# Altium PCB 6.PCB1.PcbDoc
Units mm, origin at the board's own origin, x right, y up, seen from the top; angles counter-clockwise.
Board outline 95.68 x 59.18 mm, 3 copper layers (Top Layer, Internal Plane 13, Bottom Layer); 68 components, 55 nets, 251 pads, 142 vias.
Unrouted connection lines stored in the file: 33.
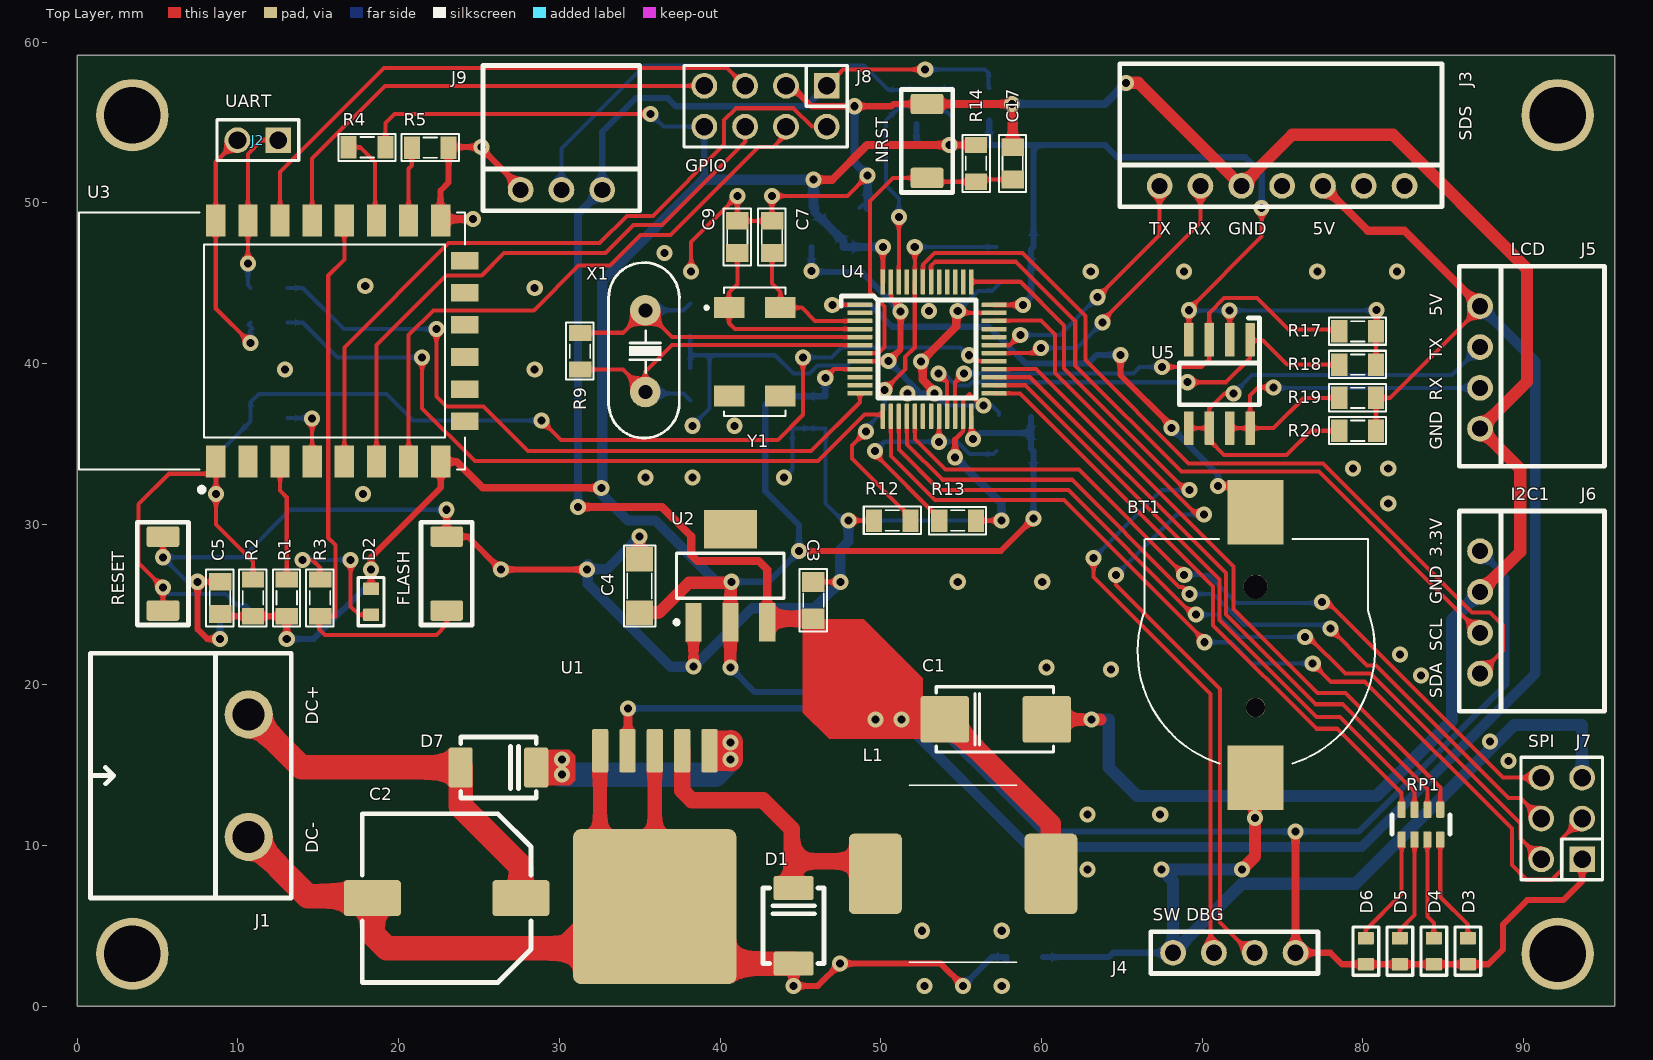
[diagram p0: Top Layer view]
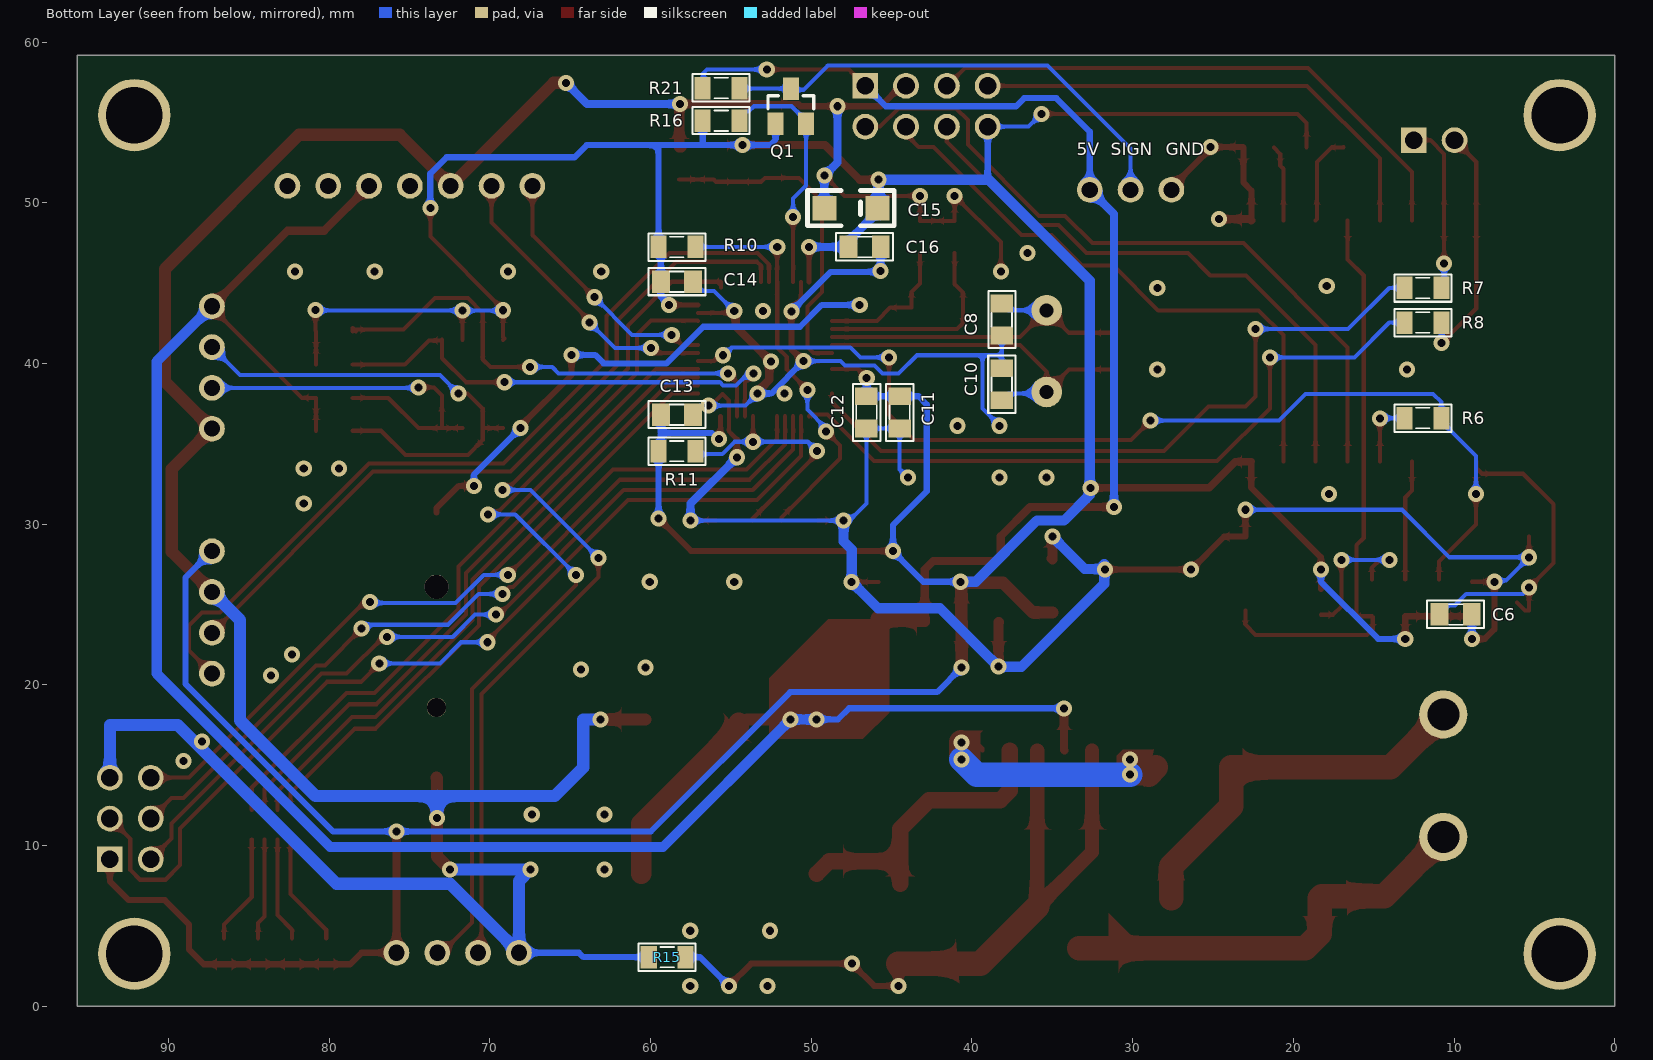
[diagram p1: Bottom Layer view, seen from below]
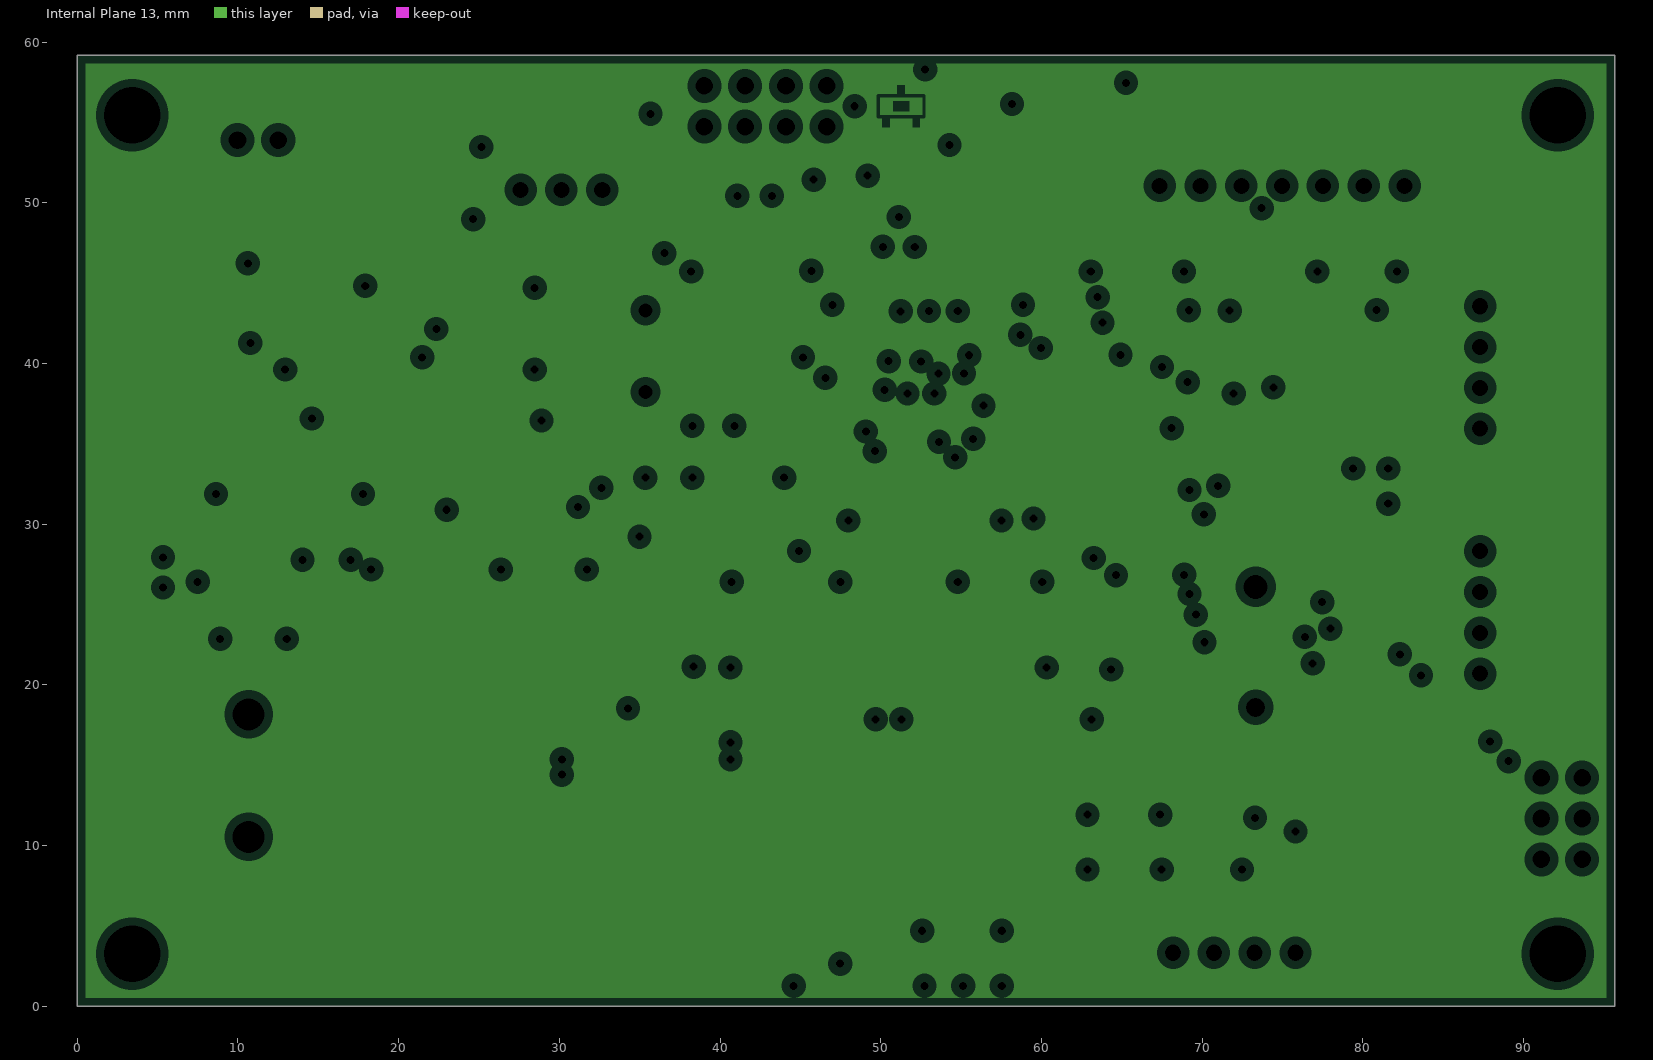
[diagram p2: Internal Plane 13, clearances drawn from the general rule]
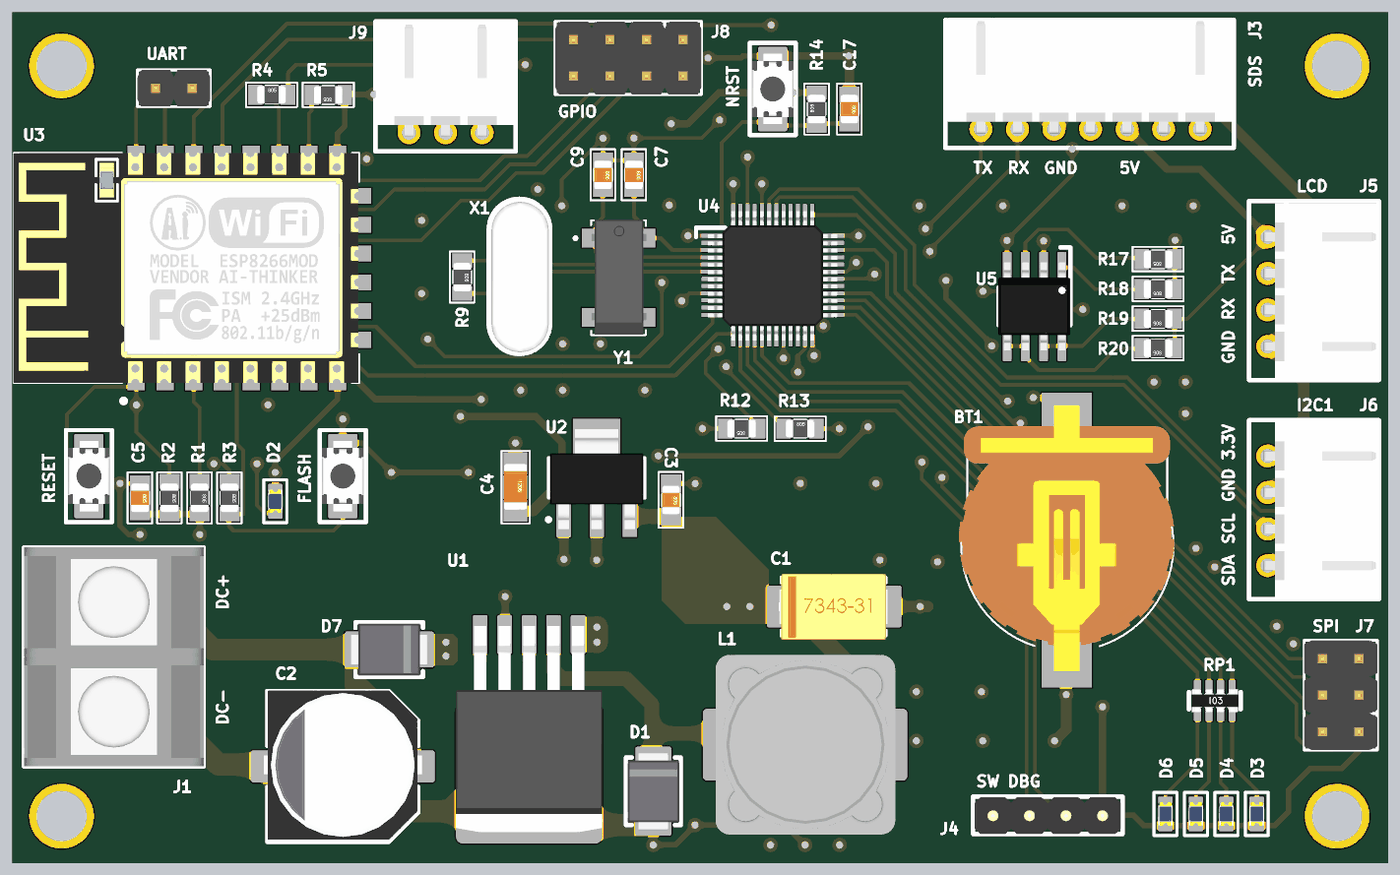
[diagram p3: 3D render of the assembled board from above, using the file's embedded part models]
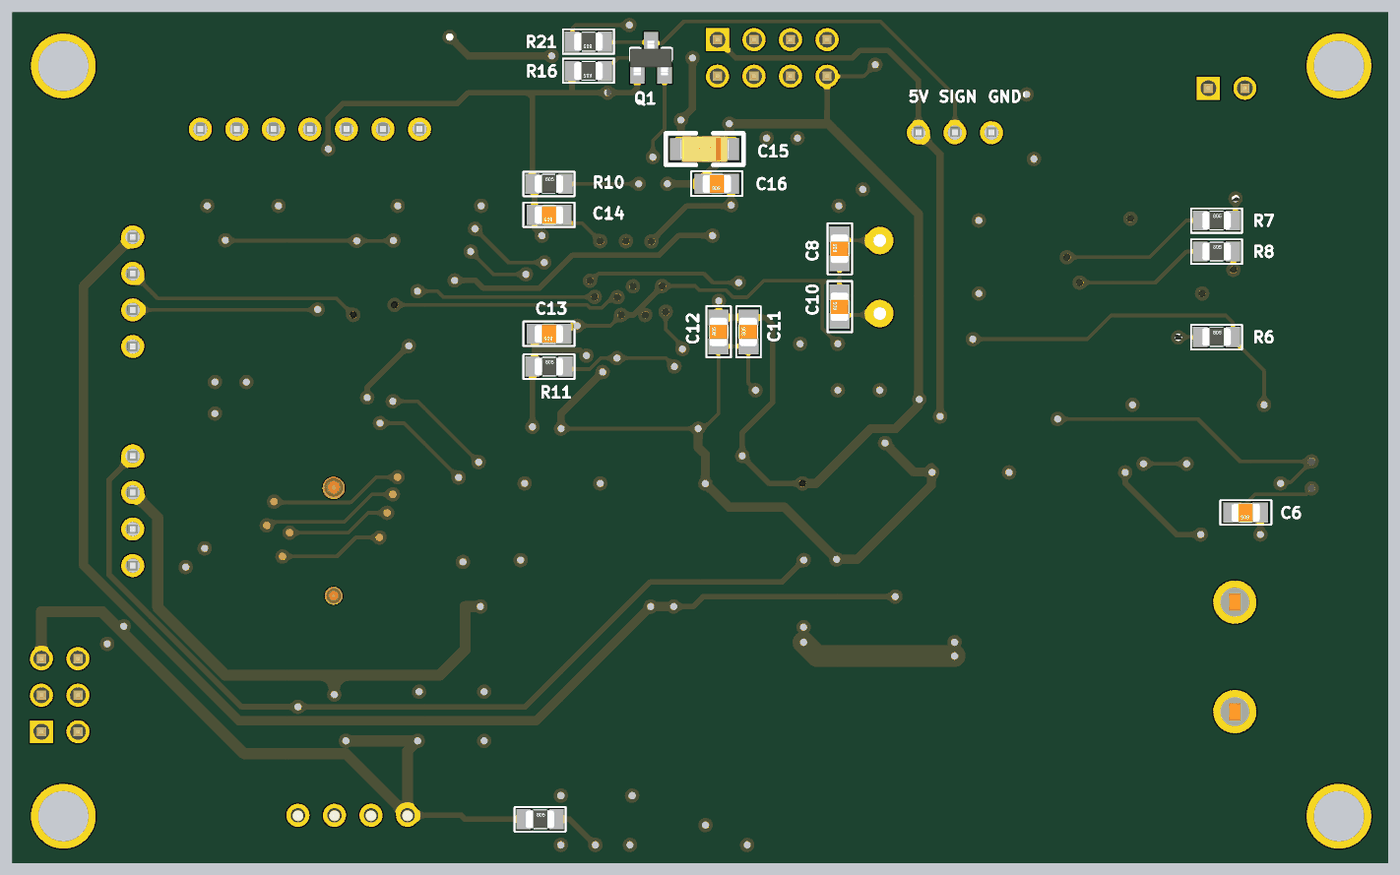
[diagram p4: 3D render of the assembled board from below, using the file's embedded part models]

## Layer stack, top to bottom
Top Solder: solder mask 0.0102, Solder Resist, Dk 3.5
Top Layer: signal copper 0.0356
Dielectric 1: dielectric 0.32, FR-4, Dk 4.8
Internal Plane 13: plane copper 0.0356
Dielectric2: dielectric 0.32, FR-4, Dk 4.8
Bottom Layer: signal copper 0.0356
Bottom Solder: solder mask 0.0102, Solder Resist, Dk 3.5

## Board outline
0,0 95.679,0 95.679,59.182 0,59.182

## Design rules (kind name [scope] priority, off if disabled: settings)
Clearance [All] p1: gap=0.127 ignorepadtopadclearanceinfootprint=TRUE
HoleSize [All] p1: absolutevalues=TRUE maxlimit=100 minlimit=0.025 maxpercent=80.000 minpercent=20.000
MinimumSolderMaskSliver [All] p1: minsoldermaskwidth=0.1
PlaneClearance [All] p1: clearance=0.508
PlaneConnect [All] p1: planeconnectstyle=Relief reliefexpansion=0.508 reliefentries=4 reliefconductorwidth=0.254 reliefairgap=0.254
PolygonConnect [All] p1: thpad.connectstyle=Relief thpad.reliefconductorwidth=0.508 thpad.reliefentries=4 thpad.polygonreliefangle="90 Angle" thpad.airgapwidth=0.254 smdpad.connectstyle=Relief smdpad.reliefconductorwidth=0.508 smdpad.reliefentries=4 smdpad.polygonreliefangle="90 Angle" smdpad.airgapwidth=0.254 via.connectstyle=Direct via.reliefconductorwidth=0.254 via.reliefentries=4 via.polygonreliefangle="90 Angle" via.airgapwidth=0.254
RoutingVias [All] p1: holewidth=0.4 width=0.7 viastyle="Through Hole" minholewidth=0.3 minwidth=0.6 maxholewidth=8 maxwidth=10
SilkToSolderMaskClearance [IsPad] p1: minsilkscreentomaskgap=0 clearancetoexposedcopper=TRUE
SolderMaskExpansion [All] p1: expansion=0.102
Width [All] p1: maxlimit=25.4 minlimit=0.254 preferedwidth=0.254
25 further rules are at their usual default settings.

## Classes and differential pairs
component class PERIPHERAL: D3 D4 D5 D6 J3 J5 J6 R17 R18 R19 R20 RP1 U5
component class ESP: C5 C6 D2 FLASH J2 R1 R2 R3 R4 R5 R6 R7 R8 RESET U3
component class MCU: BT1 C7 C8 C9 C10 C11 C12 C13 C14 C15 C16 C17 J4 J7 J9 NRST Q1 R9 R10 R11 R12 R13 R14 R16 R21 U4 X1 Y1
component class PWR: C1 C2 C3 C4 D1 D7 J1 L1 R15 U1 U2

## Components (designator, comment, footprint, x,y, rotation, side; value= is the part's Value field where it differs from the comment)
BT1 "CR1220" "Battery Holder Cr1220" 73.327,22.098 r270 top locked
C1 "220uF-10V" Tantalium7343Final 57.161,17.852 r0 top value=100uF/35V/50V
C2 "470uF/35V" CAP_ALU_10x10.5 22.987,6.731 r180 top value=100uF/35V/50V
C3 "100nF" SM-CAP-0805 45.811,26.402 r270 top value=0,1uF/300V
C4 "10uF" SM-Cap-1206 34.988,27.803 r270 top value=0,1uF/300V
C5 "100nF" CN-SMD-0805 8.89,25.415 r270 top value=103
C6 "100nF" CN-SMD-0805 9.906,24.384 r0 bottom value=103
C7 "18pF" CN-SMD-0805 43.238,47.879 r270 top value=103
C8 "30pF" CN-SMD-0805 38.148,42.735 r90 bottom value=103
C9 "18pF" CN-SMD-0805 41.079,47.879 r270 top value=103
C10 "30pF" CN-SMD-0805 38.148,38.708 r90 bottom value=103
C11 "10nF" CN-SMD-0805 44.498,36.957 r90 bottom value=103
C12 "1uF" CN-SMD-0805 46.569,36.957 r90 bottom value=103
C13 "100nF" CN-SMD-0805 58.357,36.81 r0 bottom value=103
C14 "100nF" CN-SMD-0805 58.357,45.085 r0 bottom value=103
C15 "4.7uF/16V" CAP-TAN-3216 47.537,49.667 r0 bottom value=100uF/35V/50V
C16 "100nF" CN-SMD-0805 46.686,47.254 r0 bottom value=103
C17 "100nF" CN-SMD-0805 58.214,52.451 r270 top value=103
D1 "1N5822 SMD" DIODE-SS34-SMB 44.577,4.953 r90 top value=SMD
D2 "LED" LED-SMD-0603-Blue 18.288,25.174 r270 top value="LED 3 - 5 ly 2 Colour"
D3 "LED" LED-SMD-0603-Blue 86.535,3.426 r90 top value="LED 3 - 5 ly 2 Colour"
D4 "LED" LED-SMD-0603-Blue 84.418,3.426 r90 top value="LED 3 - 5 ly 2 Colour"
D5 "LED" LED-SMD-0603-Blue 82.302,3.426 r90 top value="LED 3 - 5 ly 2 Colour"
D6 "LED" LED-SMD-0603-Blue 80.185,3.426 r90 top value="LED 3 - 5 ly 2 Colour"
D7 "1N5822 SMD" DIODE-SS34-SMB 26.162,14.859 r0 top value=SMD
FLASH "SW" "BUTTON 3x4 SMD 2 PIN" 22.987,26.924 r270 top value="SW chip 2 pin"
J1 "KF2" KF7.62 10.668,14.351 r270 top locked
J2 "UART" JP2-D1T 12.509,53.899 r180 top
J3 "SDS" HEADER-7P-2.54-90 74.978,51.054 r180 top
J4 "SW DBG" HEADER-4P-2.54 72.003,3.332 r0 top
J5 "LCD" HEADER-4P-2.54-90 87.297,39.751 r90 top
J6 "I2C1" HEADER-4P-2.54-90 87.297,24.511 r90 top
J7 "SPI" JP3-D2T 92.377,11.684 r90 top
J8 "GPIO" JP4-D2T 42.831,56.007 r180 top
J9 "MOTOR CONTROL" HEADER-3P-2.54-90 30.131,50.808 r180 top locked
L1 "47uH" "CDRH127 Right" 55.127,8.242 r0 top value="150 mH"
NRST "SW" "BUTTON 3x4 SMD 2 PIN" 52.88,53.848 r270 top value="SW chip 2 pin"
Q1 "BSS138" *SOT23 51.272,56.007 r180 bottom
R1 "10k" RES-SMD-0805 13.039,25.415 r270 top
R2 "10k" RES-SMD-0805 10.939,25.415 r270 top
R3 "470" RES-SMD-0805 15.113,25.415 r270 top
R4 "10k" RES-SMD-0805 18.034,53.456 r0 top
R5 "10k" RES-SMD-0805 21.971,53.431 r180 top
R6 "0" RES-SMD-0805 11.938,36.601 r180 bottom
R7 "1k" RES-SMD-0805 11.938,44.704 r180 bottom
R8 "1k" RES-SMD-0805 11.938,42.545 r180 bottom
R9 "1M" RES-SMD-0805 31.29,40.767 r270 top
R10 "1k" RES-SMD-0805 58.357,47.254 r180 bottom
R11 "1k" RES-SMD-0805 58.357,34.544 r180 bottom
R12 "1k" RES-SMD-0805 50.721,30.226 r180 top
R13 "1k" RES-SMD-0805 54.785,30.226 r0 top
R14 "10k" RES-SMD-0805 55.928,52.451 r90 top
R15 "0R" RES-SMD-0805 58.971,3.057 r180 bottom
R16 "10k" RES-SMD-0805 55.614,55.104 r0 bottom
R17 "10k" RES-SMD-0805 79.677,42.004 r180 top
R18 "10k" RES-SMD-0805 79.677,39.928 r180 top
R19 "10k" RES-SMD-0805 79.677,37.863 r180 top
R20 "10k" RES-SMD-0805 79.677,35.814 r180 top
R21 "10k" RES-SMD-0805 55.614,57.136 r0 bottom
RESET "SW" "BUTTON 3x4 SMD 2 PIN" 5.334,26.924 r270 top value="SW chip 2 pin"
RP1 "470R" Res-Array-0603x4 83.618,11.303 r180 top
U1 "LM2596S-5.0" *TO170P1435X465-6N 35.941,11.049 r180 top
U2 "LM1117-3.3V" SOT223 40.64,26.797 r0 top locked
U3 "ESP8266-12E/ESP-12E" *XCVR_ESP8266-12E/ESP-12E 15.621,41.402 r90 top locked
U4 "STM32F103C8T6" *QFP50P900X900X160-48N 52.88,40.894 r0 top locked
U5 "9926A-DUAL-N-MOSFET" SOP8 71.081,38.727 r180 top
X1 "8MHz" XT2 35.354,40.767 r90 top value=4Mhz
Y1 "32.768kHz" *XTAL_ABS25-32.768KHZ-6-1-T 42.161,40.723 r0 top locked

## Footprints (in the part's own frame and the unit in brackets; to place one, negate y for a bottom-side part, rotate by r counter-clockwise, add the part's x,y. Pads: shape width x height; smd on the part's side, far side on the other; paste and mask are expansions set on the pad)
*QFP50P900X900X160-48N [mm]
  rrect20% 1.56x0.28 smd mask+0.05: 1(-4.18,2.75) 2(-4.18,2.25) 3(-4.18,1.75) 4(-4.18,1.25) 5(-4.18,0.75) 6(-4.18,0.25) 7(-4.18,-0.25) 8(-4.18,-0.75) 9(-4.18,-1.25) 10(-4.18,-1.75) 11(-4.18,-2.25) 12(-4.18,-2.75) 25(4.18,-2.75) 26(4.18,-2.25) 27(4.18,-1.75) 28(4.18,-1.25) 29(4.18,-0.75) 30(4.18,-0.25) 31(4.18,0.25) 32(4.18,0.75) 33(4.18,1.25) 34(4.18,1.75) 35(4.18,2.25) 36(4.18,2.75)
  rrect20% 0.28x1.56 smd mask+0.05: 13(-2.75,-4.18) 14(-2.25,-4.18) 15(-1.75,-4.18) 16(-1.25,-4.18) 17(-0.75,-4.18) 18(-0.25,-4.18) 19(0.25,-4.18) 20(0.75,-4.18) 21(1.25,-4.18) 22(1.75,-4.18) 23(2.25,-4.18) 24(2.75,-4.18) 37(2.75,4.18) 38(2.25,4.18) 39(1.75,4.18) 40(1.25,4.18) 41(0.75,4.18) 42(0.25,4.18) 43(-0.25,4.18) 44(-0.75,4.18) 45(-1.25,4.18) 46(-1.75,4.18) 47(-2.25,4.18) 48(-2.75,4.18)
  silkscreen extent -5.33,-3.05 3.05,3.3, body extent -4.51,-4.54 4.49,4.46, height 1.6
*SOT23 [mm]
  rect 1x1.4 smd: 1(-0.95,-1.1) 2(0.95,-1.1) 3(0,1.1)
  Internal Plane 13 region: -0.229,1.295 0.229,1.295 0.229,0.711 -0.229,0.711
  Internal Plane 13 region: 0.711,-0.711 1.168,-0.711 1.168,-1.295 0.711,-1.295
  Internal Plane 13 region: -1.168,-0.711 -0.711,-0.711 -0.711,-1.295 -1.168,-1.295
  Internal Plane 13 region: -0.5,0.3 0.5,0.3 0.5,-0.3 -0.5,-0.3
  Internal Plane 13 region: -0.5,0.3 0.5,0.3 0.5,-0.3 -0.5,-0.3
  Internal Plane 13 region: -0.229,1.295 0.229,1.295 0.229,0.711 -0.229,0.711
  Internal Plane 13 region: 0.711,-0.711 1.168,-0.711 1.168,-1.295 0.711,-1.295
  Internal Plane 13 region: -1.168,-0.711 -0.711,-0.711 -0.711,-1.295 -1.168,-1.295
  Internal Plane 13 region: -0.229,1.295 0.229,1.295 0.229,0.711 -0.229,0.711
  Internal Plane 13 region: 0.711,-0.711 1.168,-0.711 1.168,-1.295 0.711,-1.295
  Internal Plane 13 region: -1.168,-0.711 -0.711,-0.711 -0.711,-1.295 -1.168,-1.295
  Internal Plane 13 region: -0.5,0.3 0.5,0.3 0.5,-0.3 -0.5,-0.3
  Internal Plane 13 region: -0.5,0.3 0.5,0.3 0.5,-0.3 -0.5,-0.3
  Internal Plane 13 region: -0.229,1.295 0.229,1.295 0.229,0.711 -0.229,0.711
  Internal Plane 13 region: 0.711,-0.711 1.168,-0.711 1.168,-1.295 0.711,-1.295
  Internal Plane 13 region: -1.168,-0.711 -0.711,-0.711 -0.711,-1.295 -1.168,-1.295
  Internal Plane 13 lines w0.152: 1.422,-0.66 1.422,0.66 ; 1.422,-0.66 -1.422,-0.66 ; 1.422,-0.66 1.422,0.66 ; 1.422,-0.66 -1.422,-0.66 ; 1.422,0.66 -1.422,0.66 ; 1.422,0.66 -1.422,0.66 ; -1.422,-0.66 -1.422,0.66 ; -1.422,-0.66 -1.422,0.66
  Internal Plane 13 lines w0.203: 1.422,-0.66 1.422,0.66 ; 1.422,-0.66 -1.422,-0.66 ; 1.422,-0.66 1.422,0.66 ; 1.422,-0.66 -1.422,-0.66 ; 1.422,0.66 -1.422,0.66 ; 1.422,0.66 -1.422,0.66 ; -1.422,-0.66 -1.422,0.66 ; -1.422,-0.66 -1.422,0.66
  silkscreen extent -1.42,-0.15 1.42,0.66, body extent -1.46,-1.2 1.46,1.2, height 1.16
*TO170P1435X465-6N [mil]
  rrect20% 40x106 smd: 1(-134,-191) 2(-67,-191) 3(0,-191) 4(67,-191) 5(134,-191)
  rrect10% 400x380 smd: 6(0,191)
  body extent -200,-215 200,350, height 394
*XCVR_ESP8266-12E/ESP-12E [mm]
  rect 2x1.2 smd: 1(-7.5,7) 2(-7.5,5) 3(-7.5,3) 4(-7.5,1) 5(-7.5,-1) 6(-7.5,-3) 7(-7.5,-5) 8(-7.5,-7) 15(7.5,-7) 16(7.5,-5) 17(7.5,-3) 18(7.5,-1) 19(7.5,1) 20(7.5,3) 21(7.5,5) 22(7.5,7)
  rect 1.1x1.7 smd: 9(-5,-8.5) 10(-3,-8.5) 11(-1,-8.5) 12(1,-8.5) 13(3,-8.5) 14(5,-8.5)
  silkscreen extent -9.4,-8.5 8,15.5, body extent -8,-8.44 8,15.56, height 3.17
*XTAL_ABS25-32.768KHZ-6-1-T [mm]
  rect 1.9x1.3 smd: 1(-1.6,2.75) 2(-1.6,-2.75) 3(1.6,-2.75) 4(1.6,2.75)
  silkscreen extent -3.1,-4 1.9,4, body extent -1.86,-3.96 1.94,4.04, height 2.43
"Battery Holder Cr1220" [mm]
  round 1.2 hole 1.2 mask+0.1: 15(3.5,0)
  round 1.5 hole 1.5 mask+0.1: 16(-4,0)
  rect 4x3.5 smd: NEG(7.874,0) POS(-8.636,0)
  silkscreen extent -6.99,-7.34 7,7.42, body extent -9.75,-7.5 8.75,7.5, height 4.54
"BUTTON 3x4 SMD 2 PIN" [mm]
  rrect20% 1.27x2.032 smd mask+0.1: 1(-2.3,0) 2(2.3,0)
  silkscreen extent -3.2,-1.6 3.2,1.6, body extent -2.45,-1.45 2.45,1.45, height 2
CAP-TAN-3216 [mm]
  rect 1.5x1.524 smd: 1(-1.65,0) 2(1.65,0)
  silkscreen extent -2.7,-1.1 2.7,1.1, body extent -1.7,-0.9 1.7,0.9, height 1.8
CAP_ALU_10x10.5 [mm] "Aluminum Electrolytic Capacitor, Body 10.40x10.40x10.50mm, IPC Low Density"
  rrect20% 3.556x2.25 smd mask+0.1: 1(-4.623,0) 2(4.623,0)
  silkscreen extent -5.25,-5.25 5.25,5.25, body extent -5.5,-5.3 5.5,5.1, height 10.41
"CDRH127 Right" [mm]
  rrect20% 3.3x5 smd: 1(-5.461,0) 2(5.461,0)
  silkscreen extent -3.35,-5.5 3.35,5.5, body extent -6.22,-6.25 6.28,6.25, height 6.2
CN-SMD-0805 [mm]
  rect 1.1x1.397 smd: 1(-1,0) 2(1,0)
  silkscreen extent -1.78,-0.86 1.78,0.84, body extent -1,-0.62 1,0.63, height 0.8
DIODE-SS34-SMB [mm] "1N5822 SMD"
  rrect20% 1.5x2.5 smd: 1(-2.3,0) 2(2.4,0)
  silkscreen extent -2.3,-1.9 2.4,1.9, body extent -2.65,-1.8 2.75,1.8, height 2.35
HEADER-3P-2.54-90 [mm] "2.54mm"
  round 1.6 hole 1 mask+0.1: 1(-2.54,0) 2(0,0) 3(2.54,0)
  silkscreen extent -4.88,-7.73 4.88,1.3, body extent -4.88,-7.73 4.88,0.3, height 5.84
HEADER-4P-2.54 [mm] "2.54mm Straight"
  round 1.6 hole 1 mask+0.1: 1(-3.81,0) 2(-1.27,0) 3(1.27,0) 4(3.81,0)
  silkscreen extent -5.2,-1.3 5.2,1.3, body extent -5.08,-1.3 5.08,1.24, height 8.48